# Altium PCB UD3.1.PcbDoc (part 1 of 2) (continued)
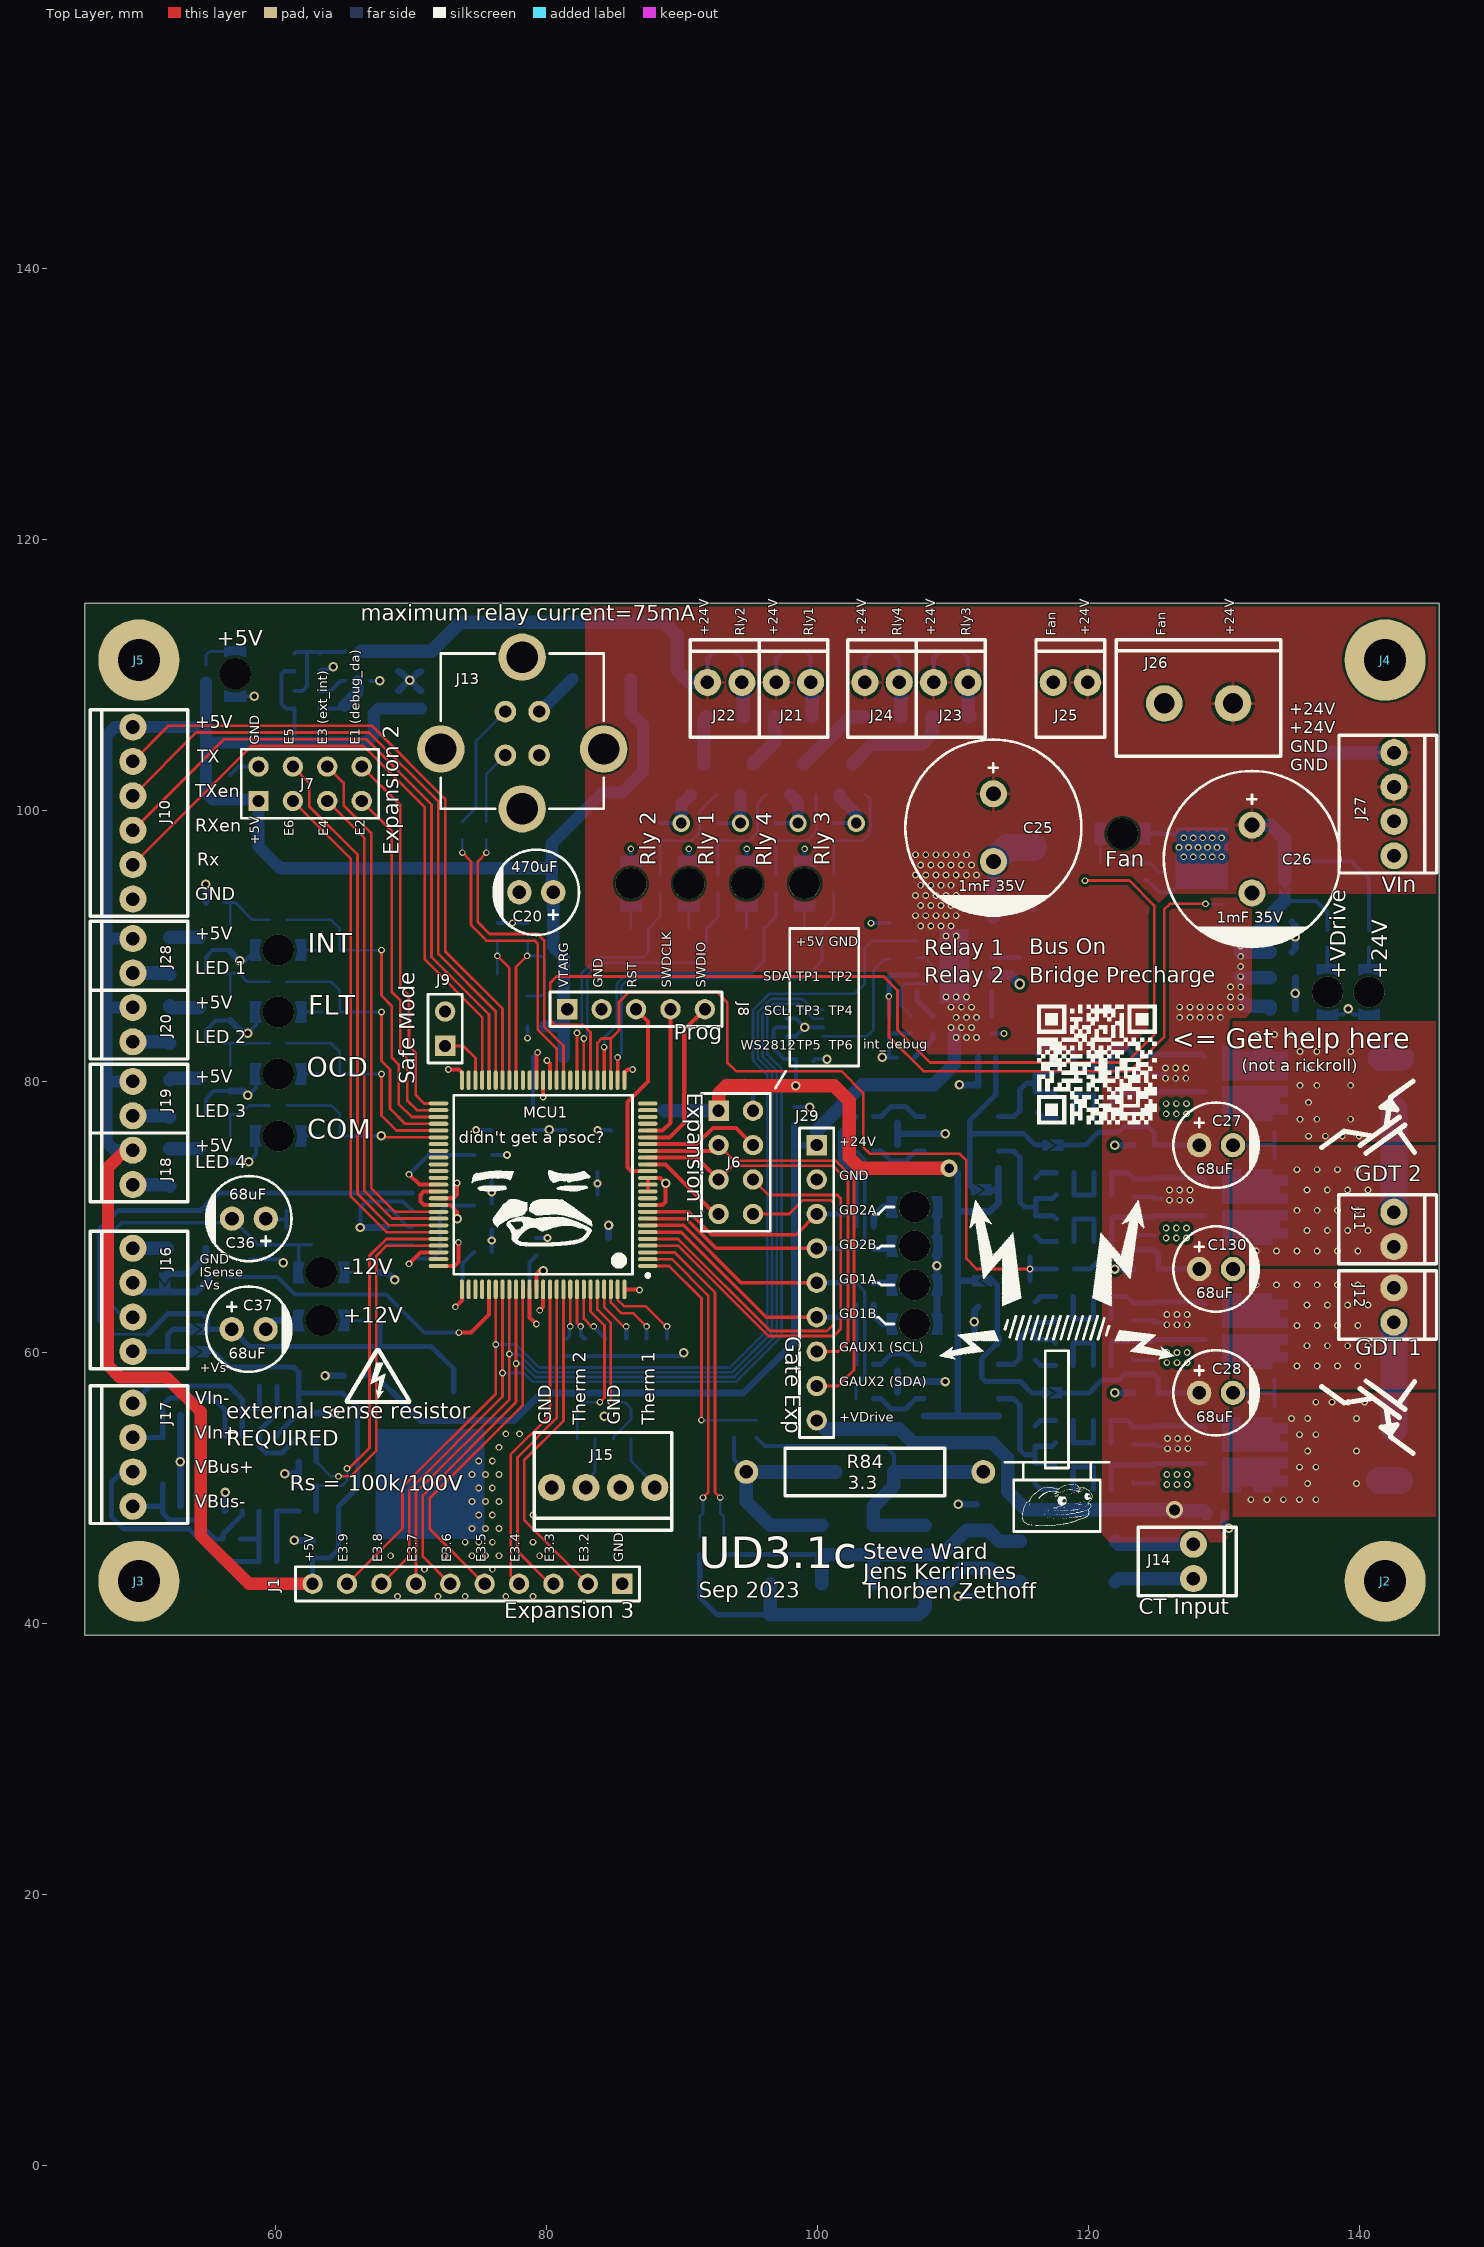
[diagram p0: Top Layer view]
## Components (designator, comment, footprint, x,y, rotation, side; value= is the part's Value field where it differs from the comment) (continued)
R138 "10k" 0603 105.918,74.704 r270 bottom
R139 "10" 0603 118.285,77.343 r0 bottom
R140 "10k" 0603 121.079,78.994 r0 bottom
R141 "22" 0603 118.285,78.994 r0 bottom
R142 "22" 0603 118.285,69.85 r0 bottom
R143 "1k" 0603 103.505,77.419 r0 bottom
R144 "1k" 0603 103.505,74.879 r0 bottom
R145 "10 0.5W" 1210 143.81,79.883 r270 bottom
R146 "22" 0603 118.285,80.772 r0 bottom
R147 "22" 0603 118.285,71.628 r0 bottom
R148 "10" 0603 118.285,82.423 r0 bottom
R149 "10k" 0603 121.079,80.772 r0 bottom
R150 "10k" 0603 121.079,73.279 r0 bottom
R151 "10" 0603 118.285,73.279 r0 bottom
R152 "10k" 0603 123.365,72.151 r270 bottom
R153 "10k" 0603 123.365,81.28 r270 bottom
R154 "2.2k" 0603 115.047,67.056 r180 bottom
R155 "10k" 0603 118.285,66.167 r180 bottom
R156 "8.2k" 0603 103.505,63.5 r0 bottom
R157 "8.2k" 0603 103.505,65.151 r0 bottom
R158 "10k" 0603 123.317,60.183 r90 bottom
R159 "10k" 0603 123.317,51.054 r90 bottom
R160 "10k" 0603 121.031,59.055 r0 bottom
R161 "10" 0603 118.237,59.055 r0 bottom
R162 "10k" 0603 105.918,59.309 r90 bottom
R163 "10k" 0603 105.918,56.487 r270 bottom
R164 "10" 0603 118.237,49.911 r0 bottom
R165 "10k" 0603 121.031,51.562 r0 bottom
R166 "22" 0603 118.237,51.562 r0 bottom
R167 "22" 0603 118.237,60.706 r0 bottom
R168 "1k" 0603 103.505,59.131 r0 bottom
R169 "1k" 0603 103.505,56.591 r0 bottom
R170 "10 0.5W" 1210 143.81,52.451 r90 bottom
R171 "22" 0603 118.237,53.34 r0 bottom
R172 "22" 0603 118.237,62.484 r0 bottom
R173 "10" 0603 118.237,54.991 r0 bottom
R174 "10k" 0603 121.031,54.991 r0 bottom
R175 "10k" 0603 121.031,62.484 r0 bottom
R176 "10" 0603 118.237,64.135 r0 bottom
R177 "10k" 0603 123.317,63.007 r270 bottom
R178 "10k" 0603 123.317,53.863 r270 bottom
R179 "NOP" 0603 88.9,60.401 r270 bottom
R180 "NOP" 0603 87.395,60.401 r270 bottom
R181 "NOP" 0603 85.889,60.401 r270 bottom
R182 "NOP" 0603 84.384,60.401 r270 bottom
R183 "22" 0603 82.879,60.401 r270 bottom
R184 "NOP" 0603 81.374,60.401 r270 bottom
Reg1 "Buck regulator" TSOT26 66.056,110.686 r270 bottom
Reg2 "AOZ1284" "SOIC8 EXPOSED" 110.11,88.519 r180 bottom
Reg3 "LM7812" "TO252 DPAk" 70.866,52.959 r270 bottom
U1 "TC7660S" SOIC8 65.405,69.867 r180 bottom
X1 "16MHz" "ECS-3225MV Oscillator" 77.47,87.122 r180 bottom

## Footprints (in the part's own frame and the unit in brackets; to place one, negate y for a bottom-side part, rotate by r counter-clockwise, add the part's x,y. Pads: shape width x height; smd on the part's side, far side on the other; paste and mask are expansions set on the pad)
"1 Pad M3" [mm]
  round 6 hole 3.1: 1(0,0)
"2 KK254 / KF2510" [mm]
  round 2 hole 1: 1(0,0) 2(2.54,0)
  silkscreen extent -1.27,-4.06 3.81,3.15, body extent -1.27,-3.28 3.81,2.52, height 11.29
"2 screw terminal vertical" [mm]
  round 2.7 hole 1.5: 1(-2.54,0) 2(2.54,0)
  silkscreen extent -6.08,-3.9 6.08,4.7, body extent -6.08,-3.89 6.08,4.68, height 12.1
"4 KK254 / KF2510" [mm]
  round 2 hole 1: 1(-3.81,0) 2(-1.27,0) 3(1.27,0) 4(3.81,0)
  silkscreen extent -5.08,-4.06 5.08,3.15, body extent -5.08,-3.3 5.08,2.5, height 11.44
"6 KK254 / KF2510" [mm]
  round 2 hole 1: 1(-6.35,0) 2(-3.81,0) 3(-1.27,0) 4(1.27,0) 5(3.81,0) 6(6.35,0)
  silkscreen extent -7.62,-4.06 7.62,3.15, body extent -7.62,-3.17 7.62,2.62, height 11.31
"0411 THT 2W" [mm]
  round 1.75 hole 1: 1(0,8.75) 2(0,-8.75)
  silkscreen extent -1.74,-5.89 1.75,5.89, body extent -1.74,-9.1 1.75,9.1, height 3.74
0603 [mm] "Chip Resistor, 2-Leads, Body 1.55x0.85mm, IPC Medium Density"
  rect 0.7x0.95 smd: 1(-0.65,0) 2(0.65,0)
  silkscreen extent -0.2,-0.48 0.2,0.48, body extent -0.8,-0.48 0.8,0.48, height 0.55
0805 [mm] "Chip Resistor, 2-Leads, Body 2.00x1.25mm, IPC Medium Density"
  rect 0.95x1.4 smd: 1(-0.925,0) 2(0.925,0)
  silkscreen extent -0.05,-0.6 0.05,0.6, body extent -1.05,-0.7 1.05,0.7, height 0.55
1008 [mm] "Chip Inductor, 2-Leads, Body 2,50x2,00mm, IPC Medium Density"
  rect 1.23x2.22 smd: 1(-1.085,0) 2(1.085,0)
  silkscreen extent -0.1,-1.01 0.1,1.01, body extent -1.35,-1.1 1.35,1.1, height 1.2
1206 [mm] "Chip Resistor, 2-Leads, Body 3.15x1.60mm, IPC Medium Density"
  rect 1.25x1.75 smd: 1(-1.375,0) 2(1.375,0)
  silkscreen extent -0.35,-0.77 0.35,0.77, body extent -1.65,-0.87 1.65,0.87, height 0.65
"1206 Reverse Mount" [mm] "SMD Mono-color Reverse mount LED, body 3.2x1.2mm"
  rect 0.4x1.6 smd paste-403.566 mask-403.566: 1(-1.65,0) 2(1.65,0)
  round 2.3 hole 2.3 unplated: MH1(0,0)
  Top Layer region: -2.05,-0.8 -2.05,0.8 -1.25,0.8 -1.25,0.631 -1.4,0 -1.25,-0.631 -1.25,-0.631 -1.25,-0.8
  Top Layer region: 2.05,-0.8 2.05,0.8 1.25,0.8 1.25,0.631 1.4,0 1.25,-0.631 1.25,-0.631 1.25,-0.8
  body extent -1.6,-0.8 1.6,0.8, height 0.4
1210 [mm] "Chip Resistor, 2-Leads, Body 3.20x2.50mm, IPC Medium Density"
  rect 1.25x2.75 smd: 1(-1.425,0) 2(1.425,0)
  silkscreen extent -0.4,-1.27 0.4,1.28, body extent -1.7,-1.38 1.7,1.38, height 1.8
DO-214 [mm] "Molded Diode, 2-Leads, Body 4.38x2.73mm, IPC Medium Density"
  rect 2.45x1.75 smd: 1(-2.15,0) 2(2.15,0)
  silkscreen extent -3.17,-1.5 2.4,1.5, body extent -2.6,-1.48 2.6,1.48, height 2.2
"ECS-3225MV Oscillator" [mm] "SON, 4-Leads, Body 2,50x3,20mm, Pitch 1,60mm, Thermal Pad 0,00x0,00mm, IPC Low Density"
  rect 1.4x1.2 smd: 1(-1.1,0.8) 2(-1.1,-0.8) 3(1.1,-0.8) 4(1.1,0.8)
  silkscreen extent -2.06,1.56 -1.96,1.66, body extent -1.65,-1.3 1.65,1.3, height 1.2
"Elko 6,3 x 11 x 2,5" [mm]
  round 1.8 hole 1: 1(-1.25,0) 2(1.25,0)
  silkscreen extent -3.15,-3.15 3.15,3.15, body extent -3.15,-3.13 3.14,3.16, height 11.02
"Elko 13 x 25 x 5" [mm]
  round 2 hole 1.1: 1(-2.5,0) 2(2.5,0)
  silkscreen extent -6.5,-6.5 6.5,6.5, body extent -6.5,-6.5 6.49,6.5, height 24.89
HDR1X2 [mm] "Connector; Header; 2 Position"
  rect 1.5x1.5 hole 0.9: 1(0,0)
  round 1.5 hole 0.9: 2(2.54,0)
  silkscreen extent -1.27,-1.27 3.81,1.27
HDR1X5 [mm] "Connector; Header; 5 Position"
  rect 1.5x1.5 hole 0.9: 1(0,0)
  round 1.5 hole 0.9: 2(2.54,0) 3(5.08,0) 4(7.62,0) 5(10.16,0)
  silkscreen extent -1.27,-1.27 11.43,1.27
HDR1X9 [mm] "Connector; Header; 9 Position"
  rect 1.5x1.5 hole 0.9: 1(0,0)
  round 1.5 hole 0.9: 2(2.54,0) 3(5.08,0) 4(7.62,0) 5(10.16,0) 6(12.7,0) 7(15.24,0) 8(17.78,0) 9(20.32,0)
  silkscreen extent -1.27,-1.27 21.59,1.27
HDR1X10 [mm] "Connector; Header; 10 Position"
  rect 1.5x1.5 hole 0.9: 1(0,0)
  round 1.5 hole 0.9: 2(2.54,0) 3(5.08,0) 4(7.62,0) 5(10.16,0) 6(12.7,0) 7(15.24,0) 8(17.78,0) 9(20.32,0) 10(22.86,0)
  silkscreen extent -1.27,-1.27 24.13,1.27
HDR2X4 [mm] "Connector; Header; 4x2 Position"
  rect 1.5x1.5 hole 0.9: 1(0,0)
  round 1.5 hole 0.9: 2(0,2.54) 3(2.54,0) 4(2.54,2.54) 5(5.08,0) 6(5.08,2.54) 7(7.62,0) 8(7.62,2.54)
  silkscreen extent -1.27,-1.27 8.89,3.81
"Inductor 11x11mm" [mm] "11x11mm power inductor, compatible with different manufacturer packages"
  rrect50% 4.3x4.8 smd: 1(-4.7,0) 2(4.7,0)
  silkscreen extent -5.85,-5.5 5.85,5.5, body extent -5.45,-5 5.45,5, height 5.4
"PCB Jumper NO" [mil] "Normally open pcb jumper"
  round 1 smd mask+0: 1(23,0) 2(-24,0)
  Top Layer region: -27.75,-16 -27.75,16 12,16 -12,0 10,-16
  Top Layer region: 21,-16 -1,0 23,16 31,16 31,-16
"SO-8FL - Dual" [mm]
  oval 0.6x1.5 smd: 1(-1.905,-2.715) 2(-0.635,-2.715) 3(0.635,-2.715) 4(1.905,-2.715)
  round 0.025 smd paste-0.4: 5/6(0.635,2.523) 7/8(-0.635,2.523)
  Top Layer region: 2.775,-1.465 2.775,-0.065 2.31,-0.065 2.31,0.835 2.775,0.83 2.775,2.235 2.31,2.235 2.31,3.375 1.56,3.375 1.56,2.815 0.98,2.815 0.98,3.375 0.23,3.375 0.23,-1.465
  Top Layer region: -2.775,-1.465 -2.775,-0.065 -2.31,-0.065 -2.31,0.835 -2.775,0.83 -2.775,2.235 -2.31,2.235 -2.31,3.375 -1.56,3.375 -1.56,2.815 -0.98,2.815 -0.98,3.375 -0.23,3.375 -0.23,-1.465
  silkscreen extent -2.51,-3.48 2.51,3.4, body extent -2.58,-3.07 2.57,3.08, height 1.1
SOD523 [mm] "SODFL, 2-Leads, Body 0.80x1.60mm, IPC Medium Density"
  rect 0.6x0.5 smd: 1(-0.75,0) 2(0.75,0)
  silkscreen extent -1,0.5 -0.9,0.6, body extent -0.8,-0.43 0.8,0.43, height 0.7
soic8 [mm] "SOIC, 8-Leads, Body 4.90x3.90mm, Pitch 1.27mm, IPC Medium Density"
  oval 1.5x0.6 smd: 1(-2.75,1.905) 2(-2.75,0.635) 3(-2.75,-0.635) 4(-2.75,-1.905) 5(2.75,-1.905) 6(2.75,-0.635) 7(2.75,0.635) 8(2.75,1.905)
  silkscreen extent -2.87,-2.5 1.6,2.88, body extent -3,-2.5 3,2.5, height 1.75
SOIC8 [mm] "SOIC, 8-Leads, Body 4.90x3.90mm, Pitch 1.27mm, IPC Medium Density"
  oval 1.5x0.6 smd: 1(-2.75,1.905) 2(-2.75,0.635) 3(-2.75,-0.635) 4(-2.75,-1.905) 5(2.75,-1.905) 6(2.75,-0.635) 7(2.75,0.635) 8(2.75,1.905)
  silkscreen extent -2.87,-2.5 1.6,2.88, body extent -3,-2.5 3,2.5, height 1.75
"SOIC8 EXPOSED" [mm] "SOIC, 8-Leads, Body 4.90x3.90mm, Pitch 1.27mm, IPC Medium Density"
  oval 1.5x0.6 smd: 1(-2.75,1.905) 2(-2.75,0.635) 3(-2.75,-0.635) 4(-2.75,-1.905) 5(2.75,-1.905) 6(2.75,-0.635) 7(2.75,0.635) 8(2.75,1.905)
  rect 2.71x3.7 smd paste-0.5: EP(0,0)
  silkscreen extent -2.88,-2.5 1.6,2.88, body extent -3,-2.5 3,2.5, height 1.75
"SON127P600 4 POS (8.50mm x 5.60mm)" [mm] "SON, 4-Leads, Body 5.60x8.50mm, Pitch 3.00mm, IPC High Density, Würth Choke"
  rect 4x2 smd: 1(-3.5,1.5) 2(-3.5,-1.5) 3(3.5,-1.5) 4(3.5,1.5)
  silkscreen extent -5.05,-3.15 4.6,3.2, body extent -4.45,-3 4.45,3, height 3.2
"sot 23" [mm] "SOT23, 3-Leads, Body 2.90x2.30mm, Pitch 0.95mm, IPC Medium Density"
  rect 0.9x0.6 smd: 1(-1.15,0.95) 2(-1.15,-0.95) 3(1.15,0)
  silkscreen extent -1.28,-1.5 0.7,1.92, body extent -1.3,-1.5 1.3,1.5, height 1.1
"Sot 23-8" [mm] "TSOP, 8-Leads, Body 2.90x1.60mm, Pitch 0.65mm, IPC Medium Density"
  oval 1.22x0.4 smd: 1(-1.35,0.975) 2(-1.35,0.325) 3(-1.35,-0.325) 4(-1.35,-0.975) 5(1.35,-0.975) 6(1.35,-0.325) 7(1.35,0.325) 8(1.35,0.975)
  silkscreen extent -1.47,-1.5 0.45,1.85, body extent -1.4,-1.5 1.4,1.5, height 1.45
"TO252 DPAk" [mm] "D-PAK, 3-Pads, Body 6.21x6.72mm (max), IPC Medium Density"
  rect 2.95x1.2 smd: 1(-4.15,2.29) 3(-4.15,-2.29)
  rect 6.7x5.65 smd: 2(2.3,0)
  silkscreen extent -4.27,-3.35 -1.45,3.56, body extent -4.34,-3.35 5.6,3.35, height 2.4
"TQFP 100" [mm] "TSQFP, 100-Leads, Body 14.00x14.00mm, Pitch 0.50mm, IPC Medium Density"
  oval 1.45x0.3 smd: 1(-7.725,6) 2(-7.725,5.5) 3(-7.725,5) 4(-7.725,4.5) 5(-7.725,4) 6(-7.725,3.5) 7(-7.725,3) 8(-7.725,2.5) 9(-7.725,2) 10(-7.725,1.5) 11(-7.725,1) 12(-7.725,0.5) 13(-7.725,0) 14(-7.725,-0.5) 15(-7.725,-1) 16(-7.725,-1.5) 17(-7.725,-2) 18(-7.725,-2.5) 19(-7.725,-3) 20(-7.725,-3.5) 21(-7.725,-4) 22(-7.725,-4.5) 23(-7.725,-5) 24(-7.725,-5.5) 25(-7.725,-6) 51(7.725,-6) 52(7.725,-5.5) 53(7.725,-5) 54(7.725,-4.5) 55(7.725,-4) 56(7.725,-3.5) 57(7.725,-3) 58(7.725,-2.5) 59(7.725,-2) 60(7.725,-1.5) 61(7.725,-1) 62(7.725,-0.5) 63(7.725,0) 64(7.725,0.5) 65(7.725,1) 66(7.725,1.5) 67(7.725,2) 68(7.725,2.5) 69(7.725,3) 70(7.725,3.5) 71(7.725,4) 72(7.725,4.5) 73(7.725,5) 74(7.725,5.5) 75(7.725,6)
  oval 0.3x1.45 smd: 26(-6,-7.725) 27(-5.5,-7.725) 28(-5,-7.725) 29(-4.5,-7.725) 30(-4,-7.725) 31(-3.5,-7.725) 32(-3,-7.725) 33(-2.5,-7.725) 34(-2,-7.725) 35(-1.5,-7.725) 36(-1,-7.725) 37(-0.5,-7.725) 38(0,-7.725) 39(0.5,-7.725) 40(1,-7.725) 41(1.5,-7.725) 42(2,-7.725) 43(2.5,-7.725) 44(3,-7.725) 45(3.5,-7.725) 46(4,-7.725) 47(4.5,-7.725) 48(5,-7.725) 49(5.5,-7.725) 50(6,-7.725) 76(6,7.725) 77(5.5,7.725) 78(5,7.725) 79(4.5,7.725) 80(4,7.725) 81(3.5,7.725) 82(3,7.725) 83(2.5,7.725) 84(2,7.725) 85(1.5,7.725) 86(1,7.725) 87(0.5,7.725) 88(0,7.725) 89(-0.5,7.725) 90(-1,7.725) 91(-1.5,7.725) 92(-2,7.725) 93(-2.5,7.725) 94(-3,7.725) 95(-3.5,7.725) 96(-4,7.725) 97(-4.5,7.725) 98(-5,7.725) 99(-5.5,7.725) 100(-6,7.725)
  silkscreen extent -7.85,-6.6 6.6,6.82, body extent -8,-8 8,8, height 1.6
TSOT26 [mm] "SOT23, 6-Leads, Body 2.90x2.80mm, Pitch 0.95mm, IPC Medium Density"
  rect 1x0.55 smd: 1(-1.099,0.95) 2(-1.099,0) 3(-1.099,-0.95) 4(1.099,-0.95) 5(1.099,0) 6(1.099,0.95)
  silkscreen extent -1.47,-1.5 0.45,1.9, body extent -1.4,-1.5 1.4,1.5, height 1
"USB 2.0 Type B Vertical" [mm]
  round 1.6 hole 0.9: 1(1.25,3.22) 2(-1.25,3.22) 3(-1.25,0) 4(1.25,0)
  round 3.5 hole 2.3: 5(-6.015,0.46) 5(0,-3.95) 5(0,7.24) 5(6.015,0.46)
  silkscreen extent -6.01,-3.95 6.01,7.51, body extent -7.57,-4.08 7.57,7.38, height 15.74

## Part data
C1 C2 C3 C4 C5 C6 C7 C8 C9 C10 C11 C12 C13 C14 C15 C16 C17 C18 C21 C22 C23 C24 C31 C32 C33 C34 C35 C38 C39 C40 C78 C79 C80 C81 C82 C83 C84 C85 C86 C87 C88 C89 C90 C91 C92 C93 C94 C95 C96 C97 C98 C99 C100 C102 C107 C110 C111 C112 C113 C114 C115 C116 C118 C123 C126 C127 C128 C129: library part Cap
C19 C101 C103 C104 C105 C108 C109 C117 C119 C120 C121 C124 C125 C131 C132 C133 C134 C135: library part Cap, Supplier Part Number 1=1276-2044-1-ND, Supplier Part Number 10=1276-CL10B104KB8NNNLCT-ND, Supplier Part Number 11=399-1085-1-ND, Supplier Part Number 12=1276-1021-1-ND, Supplier Part Number 13=587-2985-1-ND, Supplier Part Number 14=490-14603-1-ND, Supplier Part Number 15=311-3700-1-ND, Supplier Part Number 16=311-1042-1-ND, Supplier Part Number 17=311-1415-1-ND, Supplier Part Number 18=1276-1907-1-ND, Supplier Part Number 19=587-4321-1-ND, Supplier 1=Digi-Key, Supplier 2=Digi-Key, Supplier 3=Digi-Key, Supplier 4=Digi-Key, Supplier 5=Digi-Key, Supplier 6=Digi-Key, Supplier 7=Digi-Key, Supplier 8=Digi-Key, Supplier 9=Digi-Key, Supplier 10=Digi-Key, Supplier 11=Digi-Key, Supplier 12=Digi-Key, Supplier 13=Digi-Key, Supplier 14=Digi-Key, Supplier 15=Digi-Key, Supplier 16=Digi-Key, Supplier 17=Digi-Key, Supplier 18=Digi-Key, Supplier 19=Digi-Key, Supplier 20=Digi-Key, Supplier 21=Digi-Key, Supplier 22=Digi-Key, Supplier Part Number 2=1276-1018-1-ND, Supplier Part Number 3=1276-1182-1-ND, Supplier Part Number 4=1276-1009-1-ND, Supplier Part Number 5=1276-1098-1-ND, Supplier Part Number 6=1276-1119-1-ND, Supplier Part Number 7=490-12737-1-ND, Supplier Part Number 8=1276-1183-1-ND, Supplier Part Number 9=587-1249-1-ND, Supplier Part Number 20=1276-6767-1-ND, Supplier Part Number 21=1276-7060-1-ND, Supplier Part Number 22=311-1084-1-ND
C20 C25 C26 C27 C28 C36 C37 C130: library part "Cap Polar", Supplier Part Number 1=478-9181-1-ND, Supplier 1=Digi-Key, Supplier 2=Digi-Key, Supplier 3=Digi-Key, Supplier 4=Digi-Key, Supplier 5=Digi-Key, Supplier 6=Digi-Key, Supplier 7=Digi-Key, Supplier 8=Digi-Key, Supplier Part Number 2=478-9173-1-ND, Supplier Part Number 3=493-11037-ND, Supplier Part Number 4=PCE3462CT-ND, Supplier Part Number 5=399-18864-1-ND, Supplier Part Number 6=399-10512-1-ND, Supplier Part Number 7=399-15746-ND, Supplier Part Number 8=1189-3752-1-ND
D1 D2 D3 D4 D5 D43 D44 D45 D46 D47 D48 D49 D50 D51 D52 D53 D62 D63: library part LED, "Diode, but it lights up", Supplier Part Number 1=732-4979-1-ND, Supplier 1=Digi-Key, Supplier 2=Digi-Key, Supplier 3=Digi-Key, Supplier 4=Digi-Key, Supplier Part Number 2=732-4971-1-ND, Supplier Part Number 3=732-4966-1-ND, Supplier Part Number 4=732-4981-1-ND
D7: library part "Diode Schottky", Supplier Part Number 1=FSV12100VCT-ND, Supplier 1=Digi-Key
D32 D33 D34 D35 D37 D38 D39 D40 D41 D42 D56 D57 D58 D59 D66 D67 D68 D69: library part Diode, "Cmon its a diode what more do I need to say?", Supplier Part Number 1=MBR10100GOS-ND, Supplier 1=Digi-Key, Supplier 2=Digi-Key, Supplier Part Number 2=1655-1504-1-ND
D36: library part "TVS Diode", Supplier Part Number 1=UCLAMP3301HCT-ND, Supplier 1=Digi-Key
D54 D55 D60 D61 D64 D65 D70 D71: library part "Diode Zener", Supplier Part Number 1=UCLAMP3301HCT-ND, Supplier 1=Digi-Key
IC1: library part AD5160, "DigiPot 8bit"
IC6: library part "OpAmp dual", Supplier Part Number 1=296-27903-5-ND, Supplier 1=Digi-Key
IC7 IC8: "Dual gate driver"
J1: library part "Header 10", "Header, 10-Pin", LatestRevisionDate=17-Jul-2002, LatestRevisionNote="Re-released for DXP Platform.", Publisher="Altium Limited"
J2 J3 J4 J5: library part "1 Header"
J6 J7: library part "Header 4X2", "Header, 4-Pin, Dual row", LatestRevisionDate=17-Jul-2002, LatestRevisionNote="Re-released for DXP Platform.", Publisher="Altium Limited"
J8: library part "Header 5", "Header, 5-Pin", LatestRevisionDate=17-Jul-2002, LatestRevisionNote="Re-released for DXP Platform.", Publisher="Altium Limited"
J9: library part "Header 2", "Header, 2-Pin", LatestRevisionDate=17-Jul-2002, LatestRevisionNote="Re-released for DXP Platform.", Publisher="Altium Limited"
J10: library part "6 header"
J11 J12 J14 J18 J19 J20 J21 J22 J23 J24 J25 J28: library part "2 header"
J13: library part "USB 2.0 Type B"
J15 J16 J17 J27: library part "4 header"
J26: library part "2 screw terminal"
J29: library part "Header 9", "Header, 9-Pin", LatestRevisionDate=17-Jul-2002, LatestRevisionNote="Re-released for DXP Platform.", Publisher="Altium Limited"
Jp1 Jp10 Jp11 Jp12 Jp13 Jp14 Jp15 Jp16: library part Jumper
L1: library part "Inductor High Power", Supplier Part Number 1=541-1253-1-ND, Supplier 1=Digi-Key, Supplier 2=Digi-Key, Supplier 3=Digi-Key, Supplier Part Number 2=SRP1265A-1R0MCT-ND, Supplier Part Number 3=732-4237-1-ND
L2: Supplier Part Number 1=732-2358-1-ND, Supplier 1=Digi-Key
L3: library part Inductor, Supplier Part Number 1=541-1250-1-ND, Supplier Part Number 10=SRP1770TA-5R6MCT-ND, Supplier Part Number 11=SRN6028-100MCT-ND, Supplier 1=Digi-Key, Supplier 2=Digi-Key, Supplier 3=Digi-Key, Supplier 4=Digi-Key, Supplier 5=Digi-Key, Supplier 6=Digi-Key, Supplier 7=Digi-Key, Supplier 8=Digi-Key, Supplier 9=Digi-Key, Supplier 10=Digi-Key, Supplier 11=Digi-Key, Supplier Part Number 2=541-1253-1-ND, Supplier Part Number 3=SRN6028-3R9MCT-ND, Supplier Part Number 4=SRN6028-4R7MCT-ND, Supplier Part Number 5=490-10563-1-ND, Supplier Part Number 6=1276-6932-1-ND, Supplier Part Number 7=587-2042-1-ND, Supplier Part Number 8=535-12790-1-ND, Supplier Part Number 9=SRP1265A-1R0MCT-ND
MCU1: library part CY8C5466AXI-064
Q5 Q6 Q7 Q8 Q9 Q10 Q11 Q12 Q13: library part "Mosfet N", Supplier Part Number 1=1727-5305-1-ND, Supplier 1=Digi-Key, Supplier 2=Digi-Key, Supplier 3=Digi-Key, Supplier 4=Digi-Key, Supplier 5=Digi-Key, Supplier 6=Digi-Key, Supplier 7=Digi-Key, Supplier Part Number 2=1727-1123-1-ND, Supplier Part Number 3=BSC0906NSATMA1CT-ND, Supplier Part Number 4=T2N7002AKLMCT-ND, Supplier Part Number 5=1727-4714-1-ND, Supplier Part Number 6=497-14572-5-ND, Supplier Part Number 7=IPP180N10N3GXKSA1-ND
Q14 Q15 Q16 Q17: "Dual Mosfet, one N & P channel resp.", Supplier 1=Digi-Key
R1 R2 R3 R4 R5 R6 R7 R8 R10 R11 R12 R13 R14 R47 R48 R82 R83 R84 R85 R86 R87 R88 R89 R90 R91 R92 R93 R94 R95 R96 R97 R98 R99 R100 R101 R102 R103 R104 R105 R106 R107 R108 R109 R110 R111 R112 R113 R114 R115 R116 R117 R118 R119 R120 R121 R122 R123 R124 R125 R126 R127 R128 R129 R130 R131 R132 R133 R134 R135 R136 R137 R138 R139 R140 R141 R142 R143 R144 R145 R146 R147 R148 R149 R150 R151 R152 R153 R154 R155 R156 R157 R158 R159 R160 R161 R162 R163 R164 R165 R166 R167 R168 R169 R170 R171 R172 R173 R174 R175 R176 R177 R178 R179 R180 R181 R182 R183 R184: library part Resistor
Reg1: library part AP6320, Supplier Part Number 1=AP63203WU-7DICT-ND, Supplier 1=Digi-Key, Supplier 2=Digi-Key, Supplier 3=Digi-Key, Supplier Part Number 2=AP63200WU-7DICT-ND, Supplier Part Number 3=AP63201WU-7DICT-ND
Reg2: "Buck Regulator, Internal Switch 4A"
Reg3: library part lm78xx, "positive voltage regulator"
X1: library part "Quarz crystal", Supplier Part Number 1=SER4069TR-ND, Supplier 1=Digi-Key

## Free pads (board coordinates)
  rect 84x1.905 on Mech15: 1(95.949,40.522)
  rect 83.86x1.905 on Mech15: 1(95.949,113.293)

## Via types
v1: diameter 0.5, hole 0.3, Top Layer to Bottom Layer, tented both sides, 194 vias
v2: diameter 0.5, hole 0.3, Top Layer to Bottom Layer, 70 vias
v3: diameter 0.49, hole 0.3, Top Layer to Bottom Layer, 54 vias
v4: diameter 0.7, hole 0.4, Top Layer to Bottom Layer, 46 vias
v5: diameter 0.6, hole 0.3, Top Layer to Bottom Layer, 7 vias
v6: diameter 1.27, hole 0.8, Top Layer to Bottom Layer, 5 vias
v7: diameter 0.8, hole 0.5, Top Layer to Bottom Layer, 1 vias
v8: diameter 1.27, hole 0.7, Top Layer to Bottom Layer, 1 vias

## Nets (pads, with @x,y where several pads share a name; then routed paths per layer and width w, separated by ;. In a path a pad name is that pad's centre, name@x,y a point inside that pad or via, vN(x,y) a via of type N, cw(c..) or ccw(c..) an arc to the next point about the centre after c; other vN are vias at no path point)
+5V: C1.2 C2.1 C4.2 C8.2 C9.2 C10.1 C12.2 C14.2 C15.2 C17.2 C20.1 C23.2 C90.2 C91.2 C98.1 C132.1 C133.1 C135.1 D37.1 IC1.2 IC6.8 IC7.1 IC7.8 IC8.1 IC8.8 J1.10 J6.1 J7.1 J8.1 J10.6 J18.2 J19.2 J20.2 J28.2 Jp10.2 Jp13.2 Jp15.2 L3.2 MCU1.26 MCU1.37 MCU1.50 MCU1.65 MCU1.75 MCU1.88 MCU1.100 R6.2 R8.1 | length 300.5
  Top Layer w0.3: MCU1.75@72.031,66.39 73.202,66.39 73.496,66.684 v3(73.496,68.137) ; MCU1.65@72.031,71.39 73.114,71.39 73.406,71.682 v3(73.406,72.517) ; v3(72.756,80.899) 73.533,80.899 73.756,80.676 MCU1.50@73.756,80.115 ; v3(79.502,63.119) 79.756,63.373 MCU1.88@79.756,64.665 ; v3(80.025,81.565) 80.256,81.334 MCU1.37@80.256,80.115 ; MCU1.100@85.756,64.665 86.821,64.665 v3(86.868,64.618) ; MCU1.26@85.756,80.115 85.756,80.676 85.979,80.899 v3(86.36,80.899)
  Top Layer w0.9: J18.2@49.467,74.939 48.904,74.939 47.625,73.66 47.625,59.055 48.514,58.166 51.943,58.166 54.483,55.626 54.483,46.482 58.039,42.926 J1.10@62.738,42.926
  Top Layer w1: J6.1@92.71,77.851 92.71,79.121 93.275,79.686 v4(98.41,79.686) 101.252,79.686 102.362,78.576 102.362,74.422 103.175,73.609 v8(109.728,73.609)
  Bottom Layer w0.3: 61.278,105.029 61.409,105.16 C135.1@61.409,107.554 60.766,107.554 60.452,107.868 60.452,110.109 60.639,110.296 R6.2@61.409,110.296 ; J6.1@92.71,77.851 92.71,79.495 C9.2@93.33,80.115 ; IC1.2@97.71,84.003 96.957,84.003 96.774,83.82 96.774,82.434 97.547,81.661 C10.1@98.41,81.661 v4(98.41,79.686)
  Bottom Layer w0.381: Jp10.2@54.981,60.071 55.372,60.071 56.515,58.928 61.323,58.928 61.707,58.544 61.707,57.023 ; IC6.8@60.083,53.813 60.083,53.917 C12.2@61.707,55.541 61.707,57.023 ; J1.10@62.738,42.926 C8.2@62.738,44.831 64.008,44.831 64.643,45.466 64.643,48.641 66.04,50.038 66.04,55.925 64.942,57.023 61.707,57.023
  Bottom Layer w0.5: IC8.1@107.867,55.321 110.363,55.321 ; IC7.1@107.867,73.609 v8(109.728,73.609) ; 110.363,73.279 110.363,70.417 ; Jp15.2@111.531,65.304 110.363,65.304 ; Jp13.2@112.751,72.009 113.367,72.009 ; IC8.8@113.367,55.321 110.363,55.321 ; IC7.8@113.367,73.609 113.367,72.009 ; 110.363,55.321 110.363,65.304 ; 110.363,65.304 110.363,70.417 ; 110.363,70.417 112.725,70.417 113.367,71.059 113.367,72.009
  Bottom Layer w0.9: J18.2@49.467,74.939 48.124,74.939 47.498,75.565 47.498,80.124 ; J19.2@49.467,80.019 47.603,80.019 47.498,80.124 ; J20.2@49.467,85.48 47.523,85.48 47.498,85.455 ; J28.2@49.467,90.56 47.603,90.56 47.498,90.665 ; R8.1@54.864,109.459 54.864,106.181 ; J7.1@58.738,100.72 58.738,97.345 60.325,95.758 80.391,95.758 ; J7.1@58.801,100.838 55.372,100.838 54.864,101.346 54.864,104.902 ; C132.1@70.739,107.554 C133.1@69.082,107.554 67.612,107.554 L3.2@67.246,107.188 67.246,105.6 66.675,105.029 61.278,105.029 54.991,105.029 54.864,104.902 ; C23.2@79.898,84.074 81.28,84.074 ; C20.1@80.391,94.361 80.391,95.758 ; C20.1@80.498,93.98 80.498,89.936 81.28,89.154 81.28,85.344 81.28,84.074 ; 81.28,81.788 81.28,84.074 ; D37.1@86.224,109.728 86.224,107.197 87.122,106.299 87.122,102.87 85.598,101.346 84.163,101.346 80.391,97.574 80.391,95.758 ; 47.498,80.124 47.498,85.455 ; 47.498,85.455 47.498,90.665 ; 47.498,90.665 47.498,105.537 48.142,106.181 J10.6@49.467,106.181 54.864,106.181 ; 54.864,104.902 54.864,106.181
  Bottom Layer w1: 88.743,77.851 J6.1@92.71,77.851
+12V: C35.2 C36.1 C40.2 Jp11.2 R5.1 Reg3.3 U1.1 U1.8 | length 63.4
  Bottom Layer w0.2: 48.006,61.341 50.546,61.341
  Bottom Layer w0.381: 48.006,61.341 46.99,62.357 46.99,69.088 48.387,70.485 54.483,70.485 55.77,71.772 C40.2@60.818,71.772 U1.8@62.655,71.772 U1.1@68.155,71.772 C35.2@70.104,71.772 ; 50.546,61.341 52.07,62.865 54.61,62.865 54.981,62.494 Jp11.2@54.981,61.722 C36.1@56.261,61.722 ; C36.1@56.761,61.722 58.031,60.452 67.706,60.452 ; R5.1@67.706,62.357 67.706,60.452 ; Reg3.3@73.156,57.109 73.156,58.797 71.501,60.452 67.706,60.452
+24V: C6.2 C19.2 C25.1 C26.1 C31.2 C32.2 C34.2 C131.1 D38.1 D39.1 D40.1 D41.1 D42.1 J21.1 J22.1 J23.1 J24.1 J25.2 J26.2 J27.1 J27.2 J29.1 Jp1.1 R3.1 Reg1.2 Reg1.3 Reg2.EP Reg3.1 | length 130.3
  Bottom Layer w0.3: 134.493,96.266 139.446,96.266 140.716,94.996 R3.1@140.716,91.201
  Bottom Layer w0.381: C34.2@66.309,58.293 67.392,58.293 Reg3.1@68.576,57.109 ; J22.1@91.885,109.601 91.885,111.24 D40.1@92.405,111.76 ; J21.1@96.965,109.474 96.965,111.24 D39.1@97.485,111.76 ; J24.1@103.505,109.474 103.505,111.24 D42.1@104.025,111.76 ; J23.1@108.585,109.474 108.585,111.29 109.055,111.76 D41.1@109.105,111.76
  Bottom Layer w0.5: Reg3.1@68.576,57.109 70.694,54.991 77.596,54.991 79.628,57.023 94.529,57.023 98.298,60.792 98.298,75.311 ; C6.2@98.298,76.82 98.298,75.311 ; J29.1@99.949,75.311 98.298,75.311
  Bottom Layer w1: Reg1.2@66.294,111.785 Reg1.3@67.006,111.785 71.526,111.785 73.66,113.919 88.646,113.919 89.662,112.903 89.662,110.363 90.551,109.474 J22.1@91.885,109.474 ; J29.1@99.949,75.311 99.949,76.394 103.311,79.756 108.585,79.756 110.11,81.281 110.11,83.551 ; C26.1@132.08,98.933 133.477,98.933 134.493,97.917 134.493,96.266 134.493,94.996 ; D38.1@137.278,104.276 137.286,104.284 142.562,104.284 J27.1@142.57,104.292
  other v1: 110.25,83.25 111,83.25 111.75,83.25 109.875,84 110.625,84 111.375,84 110.25,84.75 111,84.75 111.75,84.75 109.875,85.5 110.625,85.5 111.375,85.5 109.5,86.25 110.25,86.25 111,86.25 109.5,90.75 110.25,90.75 107.625,91.5 108.375,91.5 109.125,91.5 109.875,91.5 107.25,92.25 108,92.25 108.75,92.25 109.5,92.25 110.25,92.25 107.625,93 108.375,93 109.125,93 109.875,93 110.625,93 107.25,93.75 108,93.75 108.75,93.75 109.5,93.75 110.25,93.75 107.625,94.5 108.375,94.5 109.125,94.5 109.875,94.5 107.25,95.25 108,95.25 108.75,95.25 109.5,95.25 110.25,95.25 111,95.25 111.75,95.25 107.625,96 108.375,96 109.125,96 109.875,96 110.625,96 111.375,96 107.25,96.75 108,96.75 108.75,96.75 109.5,96.75 110.25,96.75 111,96.75
+VDrive: C27.1 C28.1 C111.2 C112.2 C113.2 C114.2 C126.2 C127.2 C128.2 C129.2 C130.1 D60.1 D61.1 D70.1 D71.1 J29.9 Jp1.2 Jp12.2 Jp14.2 L1.2 Q14.3 Q15.3 Q16.3 Q17.3 R4.1 R14.2 R152.2 R153.2 R155.1 R177.2 R178.2 | length 93.6
  Bottom Layer w0.3: R178.2@123.317,53.213 D70.1@124.944,53.213 ; R177.2@123.317,62.357 D71.1@124.944,62.357 ; R152.2@123.365,71.501 D61.1@124.835,71.501 ; R153.2@123.365,80.63 D60.1@124.847,80.63 ; D70.1@124.841,53.086 125.388,53.086 ; D71.1@124.841,62.23 125.388,62.23 ; D61.1@124.889,71.386 125.436,71.386 ; D60.1@124.889,80.518 124.847,80.56 125.63,80.56 ; 130.048,90.805 R14.2@130.048,91.806 ; 134.493,93.345 136.806,93.345 137.668,92.483 R4.1@137.668,91.201
  Bottom Layer w0.381: Jp14.2@117.997,57.023 120.048,57.023 120.998,57.973 122.235,57.973 122.682,58.42 124.841,58.42 125.167,58.094 C127.2@125.167,57.023 C28.1@128.183,57.023 ; 117.997,75.311 119.771,75.311 120.721,76.261 122.235,76.261 122.682,76.708 124.417,76.708 124.892,76.233 C129.2@124.892,75.311 C27.1@128.183,75.311 ; R155.1@118.935,66.167 120.142,66.167 120.892,66.917 122.035,66.917 122.682,67.564 124.841,67.564 125.167,67.238 C128.2@125.167,66.167 C130.1@128.183,66.167
  Bottom Layer w1: J29.9@99.949,54.991 100.584,54.356 106.045,54.356 107.061,53.34 112.903,53.34 114.046,52.197 114.046,49.743 115.402,48.387 v6(126.365,48.387) 126.417,48.335 128.484,48.335 C111.2@128.712,48.108 ; v2@131.228,87.66 C113.2@133.441,87.66 ; 131.228,89.55 C126.2@133.441,89.55 ; 131.572,85.769 131.777,85.564 133.416,85.564 133.441,85.539 C112.2@133.441,85.364 ; 131.572,90.17 133.008,91.606 133.416,91.606 133.441,91.631 133.441,92.293 134.493,93.345
  other v2: 125.85,52.9 126.6,52.9 127.35,52.9 125.85,53.65 126.6,53.65 127.35,53.65 125.8,62.05 126.55,62.05 127.3,62.05 125.8,62.8 126.55,62.8 127.3,62.8 126,71.25 126.75,71.25 127.5,71.25 126,72 126.75,72 127.5,72 125.7,80.25 126.45,80.25 127.2,80.25 125.7,81 126.45,81 127.2,81 126.75,84.75 127.5,84.75 128.25,84.75 129,84.75 129.75,84.75 126.75,85.5 127.5,85.5 128.25,85.5 129,85.5 129.75,85.5 130.5,85.5 131.25,85.5 130.5,86.25 131.25,86.25 130.5,87 131.25,87 131.25,87.75 131.25,88.5 131.25,89.25 131.25,90 130.5,90.75 131.25,90.75
-12V: C37.2 C38.2 D4.2 J16.2 U1.5 | length 27.9
  Bottom Layer w0.25: J16.2@49.467,62.62 48.759,62.62 47.752,63.627 47.752,68.707 48.641,69.596 C37.2@57.006,69.596 ; C37.2@56.783,69.89 58.711,67.962 ; C37.2@57.041,69.632 58.711,67.962 ; D4.2@61.723,65.913 61.723,67.962 ; U1.5@62.655,67.962 61.723,67.962 ; 58.711,67.962 60.818,67.962 61.723,67.962
"Aux Gate 1": J6.5 J29.7 MCU1.17 | length 30.8
  Top Layer w0.2: J6.5@92.71,72.771 93.726,73.787 101.14,73.787 102.255,72.672 102.255,60.792 101.534,60.071 J29.7@99.949,60.071
  Top Layer w0.3: MCU1.17@87.481,74.39 91.091,74.39 J6.5@92.71,72.771
"Aux Gate 2": J6.3 J29.8 MCU1.18 | length 33.8
  Top Layer w0.2: J6.3@92.71,75.311 93.853,74.168 101.346,74.168 102.705,72.809 102.705,58.715 101.521,57.531 J29.8@99.949,57.531
  Top Layer w0.3: MCU1.18@87.481,74.89 92.289,74.89 J6.3@92.71,75.311
CTA: J14.1 L2.1 | length 5.9
  Bottom Layer w1: L2.1@121.991,46.077 122.221,45.847 J14.1@127.762,45.847
CTB: J14.2 L2.2 | length 5.9
  Bottom Layer w1: L2.2@121.991,43.077 122.221,43.307 J14.2@127.762,43.307
CTout: C83.1 MCU1.1 R85.1 | length 18
  Top Layer w0.2: MCU1.1@87.481,66.39 89.058,66.39 91.44,64.008 v3(91.44,55.006)
  Bottom Layer w0.2: v3(91.44,55.006) C83.1@93.853,55.006 R85.1@95.504,55.006
Default: J9.1 MCU1.48 | length 4.2
  Top Layer w0.2: J9.1@72.517,82.638 73.859,82.638 74.756,81.741 MCU1.48@74.756,80.115
"DigiPot Clk": IC1.4 J1.8 MCU1.82 | length 73.4
  Top Layer w0.2: J1.8@67.818,42.926 69.874,44.982 69.874,49.863 76.756,56.745 v3(76.756,58.492) MCU1.82@76.756,64.665
  Bottom Layer w0.2: v3(76.756,58.492) 78.343,58.492 78.999,57.836 94.002,57.836 97.069,60.903 97.225,61.059 97.351,61.185 97.351,80.959 96.307,82.003 96.307,84.836 96.774,85.303 97,85.303 IC1.4@97.71,85.303
"DigiPot Mosi": IC1.5 J1.7 MCU1.83 | length 75.4
  Top Layer w0.2: J1.7@70.358,42.926 70.374,42.942 70.374,49.656 77.256,56.538 v3(77.256,59.892) MCU1.83@77.256,64.665
  Bottom Layer w0.2: v3(77.256,59.892) 77.948,59.892 79.3,58.541 93.71,58.541 96.52,61.351 96.646,61.477 96.646,80.667 95.602,81.711 95.602,85.128 96.582,86.108 98.895,86.108 99.7,85.303 IC1.5@100.41,85.303
"DigiPot nCS": IC1.6 J1.6 MCU1.84 | length 75.7
  Top Layer w0.2: J1.6@72.898,42.926 70.874,44.95 70.874,49.449 77.756,56.331 v3(77.756,59.192) MCU1.84@77.756,64.665
  Bottom Layer w0.2: v3(77.756,59.192) 78.15,59.192 79.154,58.188 93.856,58.188 96.717,61.049 96.872,61.205 96.999,61.331 96.999,80.813 95.955,81.857 95.955,84.982 96.728,85.755 98.598,85.755 99.7,84.653 IC1.6@100.41,84.653
E1: J7.8 MCU1.51 | length 27.8
  Top Layer w0.2: J7.8@66.358,103.26 69.215,100.403 69.215,90.17 69.215,86.995 69.85,86.36 69.85,82.622 70.358,82.114 70.358,78.994 70.962,78.39 MCU1.51@72.031,78.39
E2: J7.7 MCU1.52 | length 26.1
  Top Layer w0.2: J7.7@66.358,100.72 68.58,98.498 68.58,89.662 68.58,86.614 69.215,85.979 69.215,82.169 69.723,81.661 69.723,78.613 70.446,77.89 MCU1.52@72.031,77.89
E3: J7.6 MCU1.67 | length 38.2
  Top Layer w0.2: J7.6@63.818,103.26 65.024,102.054 65.024,100.403 67.056,98.371 67.056,72.136 68.802,70.39 MCU1.67@72.031,70.39
E3.2: J1.2 MCU1.91 | length 24.9
  Top Layer w0.2: MCU1.91@81.256,64.665 81.256,54.95 78.359,52.053 78.359,47.625 78.683,47.301 J1.2@83.058,42.926
E3.3: J1.3 MCU1.90 | length 24.2
  Top Layer w0.2: J1.3@80.518,42.926 80.264,42.926 77.859,45.331 77.859,52.26 80.756,55.157 MCU1.90@80.756,64.665
E3.4: J1.4 MCU1.89 | length 23.2
  Top Layer w0.2: J1.4@77.978,42.926 77.359,43.545 77.359,52.467 80.256,55.364 MCU1.89@80.256,64.665
E3.5: J1.5 MCU1.85 | length 26.3
  Top Layer w0.2: J1.5@75.438,42.926 71.374,46.99 71.374,49.242 78.256,56.124 MCU1.85@78.256,64.665
E3.9: J1.9 MCU1.81 R13.2 Reg2.8 | length 88
  Top Layer w0.2: J1.9@65.278,42.926 69.374,47.022 69.374,50.07 76.256,56.952 v3(76.256,60.592) MCU1.81@76.256,64.665
  Bottom Layer w0.2: v3(76.256,60.592) 77.761,60.592 79.461,58.893 93.564,58.893 96.294,61.623 96.294,80.521 95.25,81.565 95.25,85.274 96.463,86.487 102.743,86.487 103.505,87.249 103.505,89.871 104.043,90.409 R13.2@105.283,90.409 107.345,90.409 Reg2.8@107.36,90.424
E4: J7.5 MCU1.68 | length 36.2
  Top Layer w0.2: J7.5@63.818,100.72 64.672,99.866 66.556,97.982 66.556,71.929 68.595,69.89 MCU1.68@72.031,69.89
E5: J7.4 MCU1.69 | length 40.5
  Top Layer w0.2: J7.4@61.278,103.26 62.484,102.054 62.484,100.33 66.056,96.758 66.056,71.722 68.388,69.39 MCU1.69@72.031,69.39
E6: J7.3 MCU1.70 | length 38.5
  Top Layer w0.2: J7.3@61.278,100.72 65.556,96.442 65.556,71.515 68.181,68.89 MCU1.70@72.031,68.89
FAN: MCU1.31 R98.1 R105.1 | length 77.8
  Top Layer w0.2: MCU1.31@83.256,80.115 83.256,83.643 82.721,84.179 80.642,84.179 80.289,84.531 80.289,87.3 80.747,87.757 104.902,87.757 105.918,86.741 105.918,83.82 108.331,81.407 122.82,81.407 124.861,83.448 124.861,93.013 123.032,94.842 v3(119.761,94.842)
  Bottom Layer w0.2: v3(119.761,94.842) R105.1@120.885,94.842 R98.1@122.536,94.842
GD1A: J29.5 MCU1.7 R157.1 R169.1 | length 26.2
  Top Layer w0.25: MCU1.7@87.481,69.39 90.122,69.39 94.361,65.151 J29.5@99.949,65.151
  Bottom Layer w0.25: R169.1@102.855,56.591 102.855,57.592 103.505,58.242 103.505,64.501 R157.1@102.855,65.151
  Bottom Layer w0.381: J29.5@99.949,65.151 R157.1@102.855,65.151
GD1B: J29.6 MCU1.6 R156.1 R168.1 | length 23.2
  Top Layer w0.25: MCU1.6@87.481,68.89 89.948,68.89 96.227,62.611 J29.6@99.949,62.611
  Bottom Layer w0.381: J29.6@99.949,62.611 102.855,62.611 R156.1@102.855,63.5 R168.1@102.855,59.131
GD2A: J29.3 MCU1.9 R132.1 R143.1 | length 25.7
  Top Layer w0.25: MCU1.9@87.481,70.39 90.501,70.39 92.184,68.707 98.425,68.707 J29.3@99.949,70.231
  Bottom Layer w0.381: J29.3@99.949,70.231 102.855,70.231 ; R132.1@102.855,69.342 102.855,70.231 ; R143.1@102.855,77.419 101.727,76.291 101.727,74.168 102.855,73.04 102.855,70.231
GD2B: J29.4 MCU1.8 R131.1 R144.1 | length 24
  Top Layer w0.25: MCU1.8@87.481,69.89 90.318,69.89 92.517,67.691 J29.4@99.949,67.691
  Bottom Layer w0.25: R131.1@102.855,67.691 103.505,68.341 103.505,74.229 R144.1@102.855,74.879
  Bottom Layer w0.381: J29.4@99.949,67.691 R131.1@102.855,67.691
"GDT1 DRV A": D66.1 D68.2 IC8.7 R166.1 R171.1 | length 10.9
  Bottom Layer w0.381: IC8.7@113.367,56.591 114.478,56.591 114.935,56.134 114.935,52.832 115.316,52.451 116.078,52.451 ; R166.1@117.587,51.562 117.333,51.816 D66.1@116.078,51.816 116.078,52.451 ; R171.1@117.587,53.34 117.333,53.086 D68.2@116.078,53.086 116.078,52.451